# KiCad board pcb.kicad_pcb (continued)
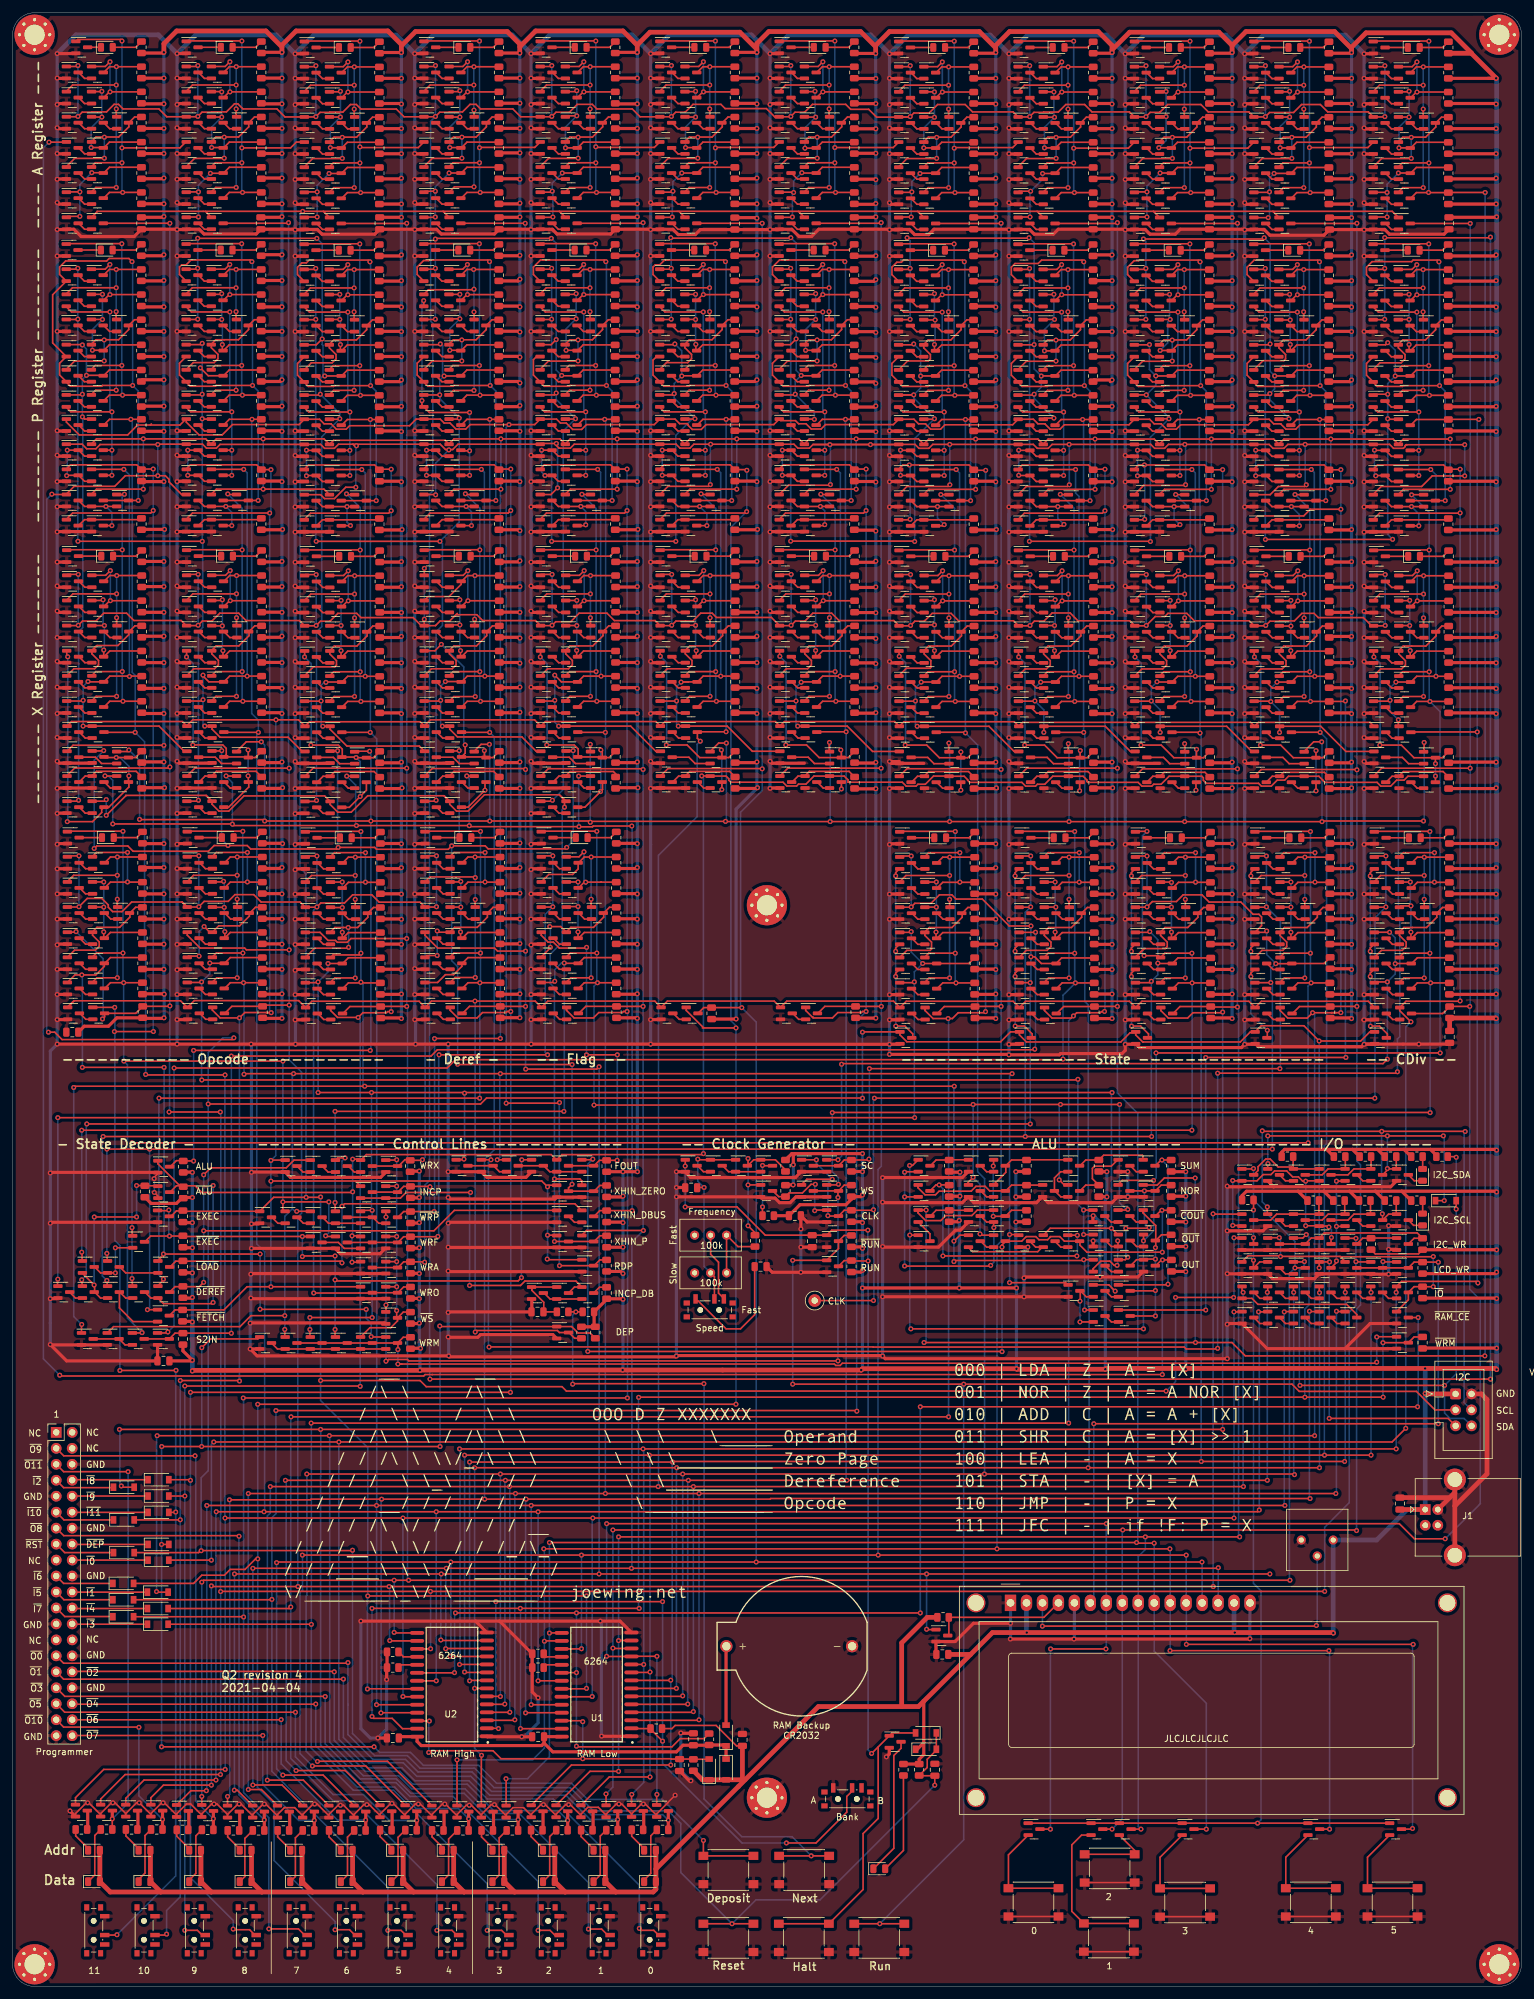
[diagram p0: board, top side]
## Routing (per net, layer and track width the routed paths; a pad name or vN(x,y) marks a point on that pad's centre or on a via; arc(x,y) is an arc through that point) (continued)
  Bottom w0.25: v1(123.1,22.83) 116.03,22.83 103.4,35.45 v1(103.4,39.03) v1(103.4,61.23) ; v1(77.3,41.03) 76.88,41.45 v1(76.88,61.23)
/Memory/~{IO}: length 49.8
  Top w0.25: 211.96,115.36 211.17,116.15 201.73,116.15 v1(201.7,116.13) 201.57,116.25 196.54,116.25 Q672.1 ; v1(201.5,119.13) 199.71,119.13 ; v1(226,111.33) 224.31,111.33 ; v1(226,116.13) 225.97,116.1 211.23,116.1 ; R285.2 222.95,111.34 Q674.3 222.04,109.25 Q679.1
  Bottom w0.25: v1(201.7,116.13) 201.7,118.93 v1(201.5,119.13) ; v1(226,116.13) v1(226,111.33)
/Memory/~{RAM_CE}: length 262.8
  Top w0.25: v1(89.7,49.93) 87.38,49.93 ; R291.2 109.99,39.43 106.2,39.43 104.9,38.13 89.8,38.13 v1(89.7,38.23) ; v1(144.4,59.43) v1(89.7,59.43) v1(70.45,59.43) ; U2.20 70.28,49.9 v1(70.3,49.93) ; Q679.3 v1(223.6,106.43) ; 144.47,92.3 v1(144.4,92.23) v1(223.5,92.23)
  Bottom w0.25: v1(70.45,59.43) 70.33,59.3 70.33,49.95 v1(70.3,49.93) ; v1(144.4,59.43) v1(144.4,92.23) ; v1(223.5,92.23) 223.6,92.33 v1(223.6,106.43) ; v1(89.7,59.43) v1(89.7,49.93) v1(89.7,38.23)
/Memory/~{WRM}: length 304.6
  Top w0.25: R290.2 222.95,103.34 Q678.3 v1(218,102.43) ; v1(218.03,93.75) v1(205.57,93.75) 99.63,93.75 ; v1(205.8,119.63) 205.25,119.08 Q853.1 ; v1(99.68,60.15) v1(80.78,60.15) v1(57.17,60.15) ; v1(57.17,42.95) 57.47,42.65 60.39,42.65 62.03,41.01 U2.27 ; Q670.1 218.05,115.28 v1(218,115.33) ; v1(99.6,93.73) 99.7,93.83 ; v1(80.8,41.03) 80.81,41.01 U1.27
  Bottom w0.25: v1(205.8,119.63) 206.23,119.2 206.23,108.42 205.57,107.77 v1(205.57,93.75) ; v1(80.78,60.15) 80.8,60.13 v1(80.8,41.03) ; v1(99.6,93.73) 99.57,93.7 99.57,60.25 v1(99.68,60.15) ; v1(218,115.33) v1(218,102.43) 218,93.78 v1(218.03,93.75) ; v1(57.17,60.15) 57.17,60.15 v1(57.17,42.95)
A0: length 397
  Top w0.25: R407.2 223.31,285.41 222.4,284.5 ; 220.4,289.45 221.09,290.13 v1(225.3,290.13) ; v1(145,102.45) v1(188.18,102.45) ; v1(188.18,102.45) 188.2,102.43 ; v1(188.18,102.45) 193.97,102.45 196.1,100.33 v1(234.2,100.33) ; 216.48,309.52 225.27,309.52 v1(225.3,309.5) ; 156,123.53 153.47,123.53 152.6,122.65 148.46,122.65 147.66,121.85 145.25,121.85 144.06,123.04 Q476.1 v1(145.32,123.53) ; 179.89,127.5 182.09,127.5 183.21,128.63 v1(188.12,128.63) ; v1(234.25,285.43) 228.42,285.43 ; 144,123.53 144,123.14
  Bottom w0.25: v1(225.3,309.5) v1(225.3,290.13) 225.3,285.48 v1(225.25,285.43) ; v1(188.12,128.63) 188.12,102.5 v1(188.18,102.45) ; v1(145.32,123.53) 145.32,102.78 v1(145,102.45) ; 234.23,285.4 v1(234.25,285.43) 234.25,100.38 v1(234.2,100.33)
ABUS0: length 445.6
  Top w0.25: v1(233,199.6) 222.55,199.6 ; R396.2 223.31,249.31 222.4,248.4 ; U1.10 100.4,51.23 v1(100.4,51.23) ; v1(233.1,111.93) 232.85,112.18 220.96,112.18 Q674.1 220.16,110.49 v1(220.1,110.43) ; Q882.1 98.46,30.51 v1(98.5,30.55) ; v1(220.1,85.53) v1(100.3,85.53) v1(71.1,85.53) ; v1(71.1,51.23) 71.11,51.23 U2.10 ; v1(233.25,249.33) 228.42,249.33
  Bottom w0.25: v1(100.3,85.53) 100.4,85.43 v1(100.4,51.23) 100.4,32.45 v1(98.5,30.55) ; v1(71.1,85.53) 71.18,85.45 71.18,51.3 v1(71.1,51.23) ; v1(233.1,111.93) 233,112.03 v1(233,199.6) 233,249.08 v1(233.25,249.33) ; v1(220.1,110.43) v1(220.1,85.53)
ABUS1: length 452.6
  Top w0.25: 203.4,248.4 204.31,249.31 v1(207.92,249.31) R332.2 ; v1(216.1,84.53) v1(208.7,84.53) v1(101.3,84.53) v1(71.9,84.53) ; v1(216.1,110.43) 216.06,110.46 Q675.1 ; v1(71.9,50.03) 71.97,49.96 U2.9 ; Q814.3 207.98,199.55 v1(208,199.53) ; v1(101.4,50.03) 101.34,49.96 U1.9 ; Q878.1 94.92,33.33 v1(101.4,33.33)
  Bottom w0.25: v1(207.92,249.31) 208,249.23 v1(208,199.53) 209.03,198.5 209.03,134.1 208.67,133.75 208.67,84.55 v1(208.7,84.53) ; v1(101.4,33.33) v1(101.4,50.03) 101.4,84.43 v1(101.3,84.53) ; v1(216.1,110.43) v1(216.1,84.53) ; v1(71.9,50.03) v1(71.9,84.53)
ABUS2: length 461
  Top w0.25: 184.4,248.4 185.31,249.31 v1(188.78,249.31) R251.2 ; U1.8 104.66,48.69 v1(104.7,48.73) ; Q676.1 211.96,110.46 v1(212,110.43) ; U2.8 72.77,48.69 v1(72.7,48.63) ; Q874.1 83.34,29.65 83.34,29.67 88.9,35.23 v1(104.7,35.23) ; v1(211.9,83.53) v1(189.1,83.53) 105.1,83.53 v1(105,83.43) v1(72.7,83.43) ; v1(188.9,199.43) 188.78,199.55 Q636.3
  Bottom w0.25: v1(189.1,83.53) 189.08,83.55 189.08,199.25 v1(188.9,199.43) 188.9,236.32 188.78,236.44 v1(188.78,249.31) ; v1(105,83.43) 104.93,83.35 104.93,48.95 v1(104.7,48.73) v1(104.7,35.23) ; v1(212,110.43) 212,83.63 v1(211.9,83.53) ; v1(72.7,48.63) v1(72.7,83.43)
ABUS3: length 439.8
  Top w0.25: 165.9,248.4 166.81,249.31 v1(170.22,249.31) R170.2 ; v1(207.9,82.53) v1(171.1,82.53) v1(73.5,82.53) ; v1(74.6,36.78) 74.57,36.75 Q870.1 ; v1(73.5,47.43) 73.5,47.42 U2.7 ; Q677.1 207.86,110.41 v1(207.9,110.38) ; v1(105.6,47.43) 105.59,47.42 U1.7 ; v1(170.4,199.53) 165.96,199.53
  Bottom w0.25: v1(73.5,82.53) v1(73.5,47.43) 73.5,37.88 v1(74.6,36.78) ; v1(170.22,249.31) 170.37,249.15 170.37,199.55 v1(170.4,199.53) 170.58,199.35 170.58,156.7 171.13,156.15 171.13,108.1 171.25,107.97 171.25,82.68 v1(171.1,82.53) ; v1(105.6,47.43) 105.6,82.48 v1(105.65,82.53) ; v1(207.9,110.38) v1(207.9,82.53)
ABUS4: length 516.1
  Top w0.25: 146.9,248.4 147.81,249.31 v1(151.58,249.31) R92.2 ; v1(77.6,46.13) 77.57,46.15 U2.6 ; Q866.1 59.65,35.83 48.53,35.83 v1(48.5,35.8) ; v1(46.8,81.53) v1(106.6,81.53) 203.82,81.53 v1(203.93,81.43) ; Q680.1 203.76,110.46 v1(203.8,110.43) ; v1(106.6,46.23) 106.53,46.15 U1.6 ; Q267.3 151.48,199.55 v1(151.58,199.44)
  Bottom w0.25: v1(151.58,249.31) v1(151.58,199.44) 153.53,197.5 153.53,129.62 154.63,128.52 154.63,81.55 v1(154.6,81.53) ; v1(203.93,81.43) 203.8,81.55 v1(203.8,110.43) ; v1(77.6,46.13) v1(77.6,81.53) ; v1(48.5,35.8) 48.33,35.8 46.7,37.43 46.7,62.13 46.83,62.25 46.83,81.5 v1(46.8,81.53) ; v1(106.6,46.23) v1(106.6,81.53)
ABUS5: length 512.6
  Top w0.25: 127.9,248.42 128.81,249.33 v1(132.49,249.33) R423.2 ; Q862.1 52.91,34.35 v1(45.1,34.35) ; v1(199.6,110.43) 199.66,110.49 Q681.1 ; v1(43.4,80.53) v1(199.6,80.53) ; v1(107.4,44.93) 107.35,44.88 U1.5 ; v1(132.6,199.63) 127.99,199.63 ; U2.5 78.25,44.88 v1(78.3,44.93)
  Bottom w0.25: 43.53,80.45 43.53,35.93 v1(45.1,34.35) ; v1(132.49,249.33) 132.49,199.73 v1(132.6,199.63) 132.6,80.63 v1(132.7,80.53) ; v1(107.5,80.53) 107.4,80.43 v1(107.4,44.93) ; v1(199.6,110.43) v1(199.6,80.53) ; 43.53,80.4 v1(43.4,80.53) ; v1(78.4,80.53) 78.33,80.45 78.33,44.95 v1(78.3,44.93)
ABUS6: length 514
  Top w0.25: 108.9,248.42 109.81,249.33 v1(113.51,249.33) R432.2 ; Q884.1 46.26,32.83 v1(40.53,32.83) ; U2.4 79.09,43.61 v1(79.1,43.63) ; v1(108.3,43.73) 108.19,43.61 U1.4 ; v1(113.5,199.63) 108.99,199.63 ; v1(109.4,198.13) 108.94,198.59 Q984.3 ; v1(41,79.53) v1(195.8,79.53) ; Q682.1 195.58,110.59 v1(195.75,110.43)
  Bottom w0.25: v1(109.4,198.13) 108.9,197.62 108.9,186.12 102.75,179.98 102.75,79.58 v1(102.7,79.53) ; v1(108.3,43.73) v1(108.3,79.53) ; v1(79.05,79.53) 79.1,79.48 v1(79.1,43.63) ; v1(40.53,32.83) 40.53,74.85 41,75.33 v1(41,79.53) ; v1(113.5,199.63) 113.51,199.63 v1(113.51,249.33) ; v1(195.8,79.53) 195.75,79.58 v1(195.75,110.43)
ABUS7: length 525.2
  Top w0.25: 89.88,248.42 90.79,249.33 v1(94.19,249.33) R298.2 ; v1(210.5,78.43) v1(109.2,78.43) v1(94.3,78.43) ; v1(210.6,107.43) 210.65,107.38 Q683.1 ; v1(37.5,78.43) v1(80,78.43) 94.2,78.43 94.3,78.53 ; v1(79.9,42.43) 79.81,42.34 U2.3 ; Q880.1 39.59,31.33 v1(37.5,31.33) ; U1.3 109.12,42.34 v1(109.2,42.43) ; v1(94.3,199.53) 89.96,199.53
  Bottom w0.25: v1(37.5,31.33) v1(37.5,78.43) ; v1(80,78.43) 79.9,78.33 v1(79.9,42.43) ; v1(210.5,78.43) 210.6,78.53 v1(210.6,107.43) ; v1(109.2,42.43) v1(109.2,78.43) ; 94.3,78.53 v1(94.3,199.53) 94.35,199.57 94.35,249.18 v1(94.19,249.33)
ABUS8: length 515.4
  Top w0.25: 71.38,248.42 72.29,249.33 v1(75.91,249.33) R217.2 ; Q876.1 34.19,30.22 v1(34.2,30.23) ; v1(58.6,43.53) 58.62,43.55 U2.25 ; v1(81.6,43.53) 81.62,43.55 U1.25 ; v1(206.3,107.43) 206.35,107.38 Q684.1 ; v1(206.4,77.63) 120.6,77.63 120.5,77.53 v1(75.1,77.53) v1(58.7,77.53) 47.5,77.53 47.4,77.43 v1(34.5,77.43) ; v1(75.9,199.53) 71.46,199.53
  Bottom w0.25: v1(206.3,107.43) 206.3,77.73 v1(206.4,77.63) ; v1(58.7,77.53) 58.63,77.45 58.63,43.55 v1(58.6,43.53) ; v1(34.5,77.43) 34.55,77.38 34.55,30.58 v1(34.2,30.23) ; v1(81.6,43.53) 81.6,77.43 v1(81.7,77.53) ; v1(75.1,77.53) 75.07,77.55 75.07,131.57 76.63,133.12 76.63,198.8 v1(75.9,199.53) 75.91,199.53 v1(75.91,249.33)
ABUS9: length 513.7
  Top w0.25: 52.35,248.4 53.26,249.31 v1(56.92,249.31) R136.2 ; Q872.1 28.36,31.14 v1(30.83,31.14) ; v1(202.4,76.53) v1(57.9,76.53) v1(30.9,76.53) ; v1(202.3,107.33) 202.35,107.38 Q685.1 ; U1.24 82.5,44.82 v1(82.5,44.83) ; v1(56.9,199.53) 52.41,199.53 ; v1(57.9,44.83) 64.34,44.83
  Bottom w0.25: v1(57.9,44.83) v1(57.9,76.53) 57.93,76.55 57.93,198.5 v1(56.9,199.53) 56.92,199.54 v1(56.92,249.31) ; v1(30.83,31.14) 30.9,31.21 v1(30.9,76.53) ; v1(82.5,44.83) v1(82.5,76.53) ; v1(202.3,107.33) 202.3,76.63 v1(202.4,76.53)
ABUS10: length 505.8
  Top w0.25: 33.57,248.43 34.48,249.34 v1(38.09,249.34) R58.2 ; v1(39.1,199.53) 33.66,199.53 ; v1(198.32,75.8) 198.05,75.53 v1(83.6,75.53) v1(67.4,75.53) v1(40,75.53) v1(32.4,75.53) ; U1.21 83.6,48.63 v1(83.6,48.63) ; v1(198.2,107.33) 199.61,107.33 ; v1(32.35,32.84) 20.91,32.84 18,29.93 Q868.1 ; 64.36,48.63 v1(67.4,48.63)
  Bottom w0.25: 198.4,75.88 v1(198.32,75.8) 198.32,107.2 v1(198.2,107.33) ; v1(32.35,32.84) 32.35,75.48 v1(32.4,75.53) ; v1(40,75.53) 40.1,75.63 40.1,116.87 38.84,118.13 38.84,199.27 v1(39.1,199.53) 39.1,201.47 38.04,202.53 38.04,249.29 v1(38.09,249.34) ; v1(67.4,48.63) v1(67.4,75.53) ; v1(83.6,48.63) v1(83.6,75.53)
ABUS11: length 525
  Top w0.25: v1(92.2,46.13) 92.16,46.09 U1.23 ; 14.5,248.43 15.41,249.34 R1.2 ; v1(19.5,199.53) 14.59,199.53 ; v1(33.8,74.53) v1(194.3,74.53) ; v1(62.1,46.13) 62.14,46.09 U2.23 ; v1(21.18,145.1) 21.25,145.03 v1(33.8,145.03) ; v1(33.83,34.53) 14.5,34.53 10.01,30.04 Q864.1 ; v1(194.3,107.33) 195.53,107.33
  Bottom w0.25: v1(194.3,74.53) v1(194.3,107.33) ; v1(33.8,145.03) 33.77,145 33.77,74.55 v1(33.8,74.53) 33.83,74.5 v1(33.83,34.53) ; v1(62.1,46.13) v1(62.1,74.53) ; v1(18.81,249.34) 19.03,249.13 19.03,209.07 19.5,208.6 v1(19.5,199.53) 21,198.03 21,166.53 21.18,166.35 v1(21.18,145.1) ; v1(92.2,46.13) 92.2,74.43 v1(92.3,74.53)
ALU_OUT: length 397
  Top w0.25: v1(182.9,97.35) 66.75,97.35 66.75,97.35 65.63,97.35 65.4,97.13 7.62,97.13 v1(7.5,97.25) ; R213.2 v1(182.94,115.59) 182.76,115.59 181.85,114.68 ; v1(5.8,293.43) 8.45,293.43
  Bottom w0.25: v1(182.94,115.59) 182.9,115.55 v1(182.9,97.35) ; v1(7.5,97.25) 4.9,99.85 4.9,292.53 v1(5.8,293.43)
CDIV: length 174.3
  Top w0.25: 222.56,158.76 223.47,159.67 v1(225.57,159.67) R425.2 ; 216.64,183.78 225.43,183.78 v1(225.46,183.76) ; v1(225.46,164.39) 221.25,164.39 220.56,163.71 ; v1(131.38,127.63) 131.28,127.53 129.45,127.53 ; v1(130.4,139.03) 130.43,139.05 225.47,139.05 v1(225.5,139.03)
  Bottom w0.25: v1(225.57,159.67) 225.46,159.78 v1(225.46,164.39) v1(225.46,183.76) ; v1(225.57,159.67) 225.5,159.6 v1(225.5,139.03) ; v1(225.57,159.67) 225.68,159.57 ; v1(130.4,139.03) 130.4,129.62 131.38,128.65 v1(131.38,127.63) 131.43,127.68
CLK: length 189.8
  Top w0.25: v1(218.46,171.76) 218.41,171.71 216.56,171.71 ; v1(218.46,179.86) 216.71,179.86 ; Q301.1 127.86,131.53 v1(127.87,131.52) ; 125.45,127.53 126.35,128.43 v1(130.4,128.43) ; v1(129.7,122.63) 129.75,122.58 Q306.3 132.3,123.49 R130.2 136.86,123.49 v1(136.95,123.58) ; v1(136.95,109.13) TP1.1 ; v1(216.7,141.33) v1(137.1,141.33)
  Bottom w0.25: v1(218.46,179.86) v1(218.46,171.76) 216.73,170.02 216.73,141.35 v1(216.7,141.33) ; v1(136.95,109.13) 137.03,109.2 137.03,123.5 v1(136.95,123.58) 136.95,141.18 v1(137.1,141.33) ; v1(129.7,122.63) 129.7,127.73 v1(130.4,128.43) 127.87,130.96 v1(127.87,131.52) 127.87,131.52
DBUS0: length 493.9
  Top w0.25: 216.5,192.55 217.77,193.82 v1(231.87,193.82) 232,193.95 ; Q886.3 227.49,154.8 R397.2 ; v1(94.5,52.53) 94.53,52.5 U1.11 ; 231.95,280.43 v1(231.88,280.5) 222.4,280.5 ; v1(231.8,155.93) 228.62,155.93 ; v1(165.12,53.7) v1(173.92,53.7) ; v1(227.9,71.23) 223,71.23 220.6,73.63 v1(94.5,73.63) ; Q861.3 v1(165.1,25.03) ; v1(102.5,30.55) 102.46,30.51 Q883.1 ; v1(102.5,52.53) 98.47,52.53
  Bottom w0.25: v1(227.9,71.23) 233.5,76.83 233.47,76.85 233.47,109.25 231.8,110.93 v1(231.8,155.93) 231.87,156 v1(231.87,193.82) 231.88,193.83 v1(231.88,280.5) ; v1(174,73.63) 173.99,73.62 DS1.7 173.99,53.77 v1(173.92,53.7) ; v1(165.12,53.7) 165.1,53.68 v1(165.1,25.03) ; v1(102.5,30.55) v1(102.5,52.53) ; v1(94.5,52.53) v1(94.5,73.63)
DBUS1: length 461.8
  Top w0.25: 203.6,154.8 204.71,155.91 R333.2 ; Q860.3 v1(174.9,25.03) ; Q816.1 198.64,193.62 213.8,193.62 v1(213.85,193.58) ; v1(213.85,280.53) 213.82,280.5 Q797.3 ; v1(213.8,72.53) 213.7,72.63 v1(176.6,72.63) v1(95.5,72.63) ; v1(95.5,53.83) 95.56,53.77 U1.12 ; v1(94.4,30.63) 94.41,30.61 Q879.1 ; v1(213.85,155.93) 209.62,155.93
  Bottom w0.25: v1(176.6,72.63) 176.53,72.56 DS1.8 176.53,26.66 v1(174.9,25.03) ; v1(213.8,72.53) 213.8,107.8 214.43,108.42 214.43,130.73 213.85,131.3 v1(213.85,155.93) v1(213.85,193.58) v1(213.85,280.53) ; v1(95.5,72.63) v1(95.5,53.83) 95.5,31.73 v1(94.4,30.63)
DBUS2: length 446.6
  Top w0.25: 184.6,154.8 185.71,155.91 R252.2 ; Q875.1 91.86,34.23 v1(96.4,34.23) ; Q638.1 179.74,193.73 v1(194.85,193.73) ; v1(96.4,71.53) v1(195.2,71.53) ; v1(194.85,155.83) 190.68,155.83 ; Q859.3 v1(179.5,25.03) ; U1.13 96.41,55.04 v1(96.4,55.03) ; Q619.3 194.82,280.5 v1(194.85,280.53)
  Bottom w0.25: v1(195.2,71.53) 195.03,71.7 195.03,155.65 v1(194.85,155.83) v1(194.85,193.73) v1(194.85,280.53) ; v1(180.2,71.53) 180.2,69.53 179.07,68.4 179.07,25.46 v1(179.5,25.03) ; 96.23,54.85 v1(96.4,55.03) ; v1(96.4,55.03) v1(96.4,71.53) ; v1(96.4,55.03) v1(96.4,34.23) 96.23,34.4
DBUS3: length 443.5
  Top w0.25: R171.2 167.21,155.91 166.1,154.8 ; v1(175.75,193.83) 161.34,193.83 Q442.1 ; Q858.3 v1(189.9,25.03) ; v1(175.75,155.93) 172.12,155.93 ; v1(85.4,70.63) v1(178.8,70.63) 178.9,70.53 v1(181.6,70.53) ; v1(85.4,56.23) 85.43,56.25 U1.15 ; v1(78.5,33.05) 78.51,33.04 Q871.1 ; v1(175.75,280.63) 175.62,280.5 Q423.3
  Bottom w0.25: v1(85.4,70.63) v1(85.4,56.23) 85.4,36.53 81.93,33.05 v1(78.5,33.05) ; v1(175.75,280.63) v1(175.75,193.83) v1(175.75,155.93) 175.75,142.16 179,138.91 179,70.83 v1(178.8,70.63) ; v1(181.6,70.53) 181.61,70.52 DS1.10 181.61,53.34 189.9,45.05 v1(189.9,25.03)
DBUS4: length 476.5
  Top w0.25: 147.1,154.8 148.21,155.91 R93.2 ; Q250.3 157.22,280.5 v1(157.25,280.53) ; v1(184.12,53.43) v1(209.4,53.43) ; v1(157.25,193.63) 157.13,193.74 142.26,193.74 Q269.1 ; v1(157.25,155.93) 153.12,155.93 ; Q857.3 v1(209.5,25.03) ; v1(84.5,69.63) v1(156.6,69.63) v1(184.1,69.63) ; v1(70.7,36.05) 70.7,36.05 Q867.1 ; U1.16 84.66,54.98 v1(84.6,54.93)
  Bottom w0.25: v1(209.5,25.03) 209.5,53.33 v1(209.4,53.43) ; v1(84.5,69.63) 84.6,69.53 v1(84.6,54.93) 84.6,37.93 82.72,36.05 v1(70.7,36.05) ; v1(184.12,53.43) 184.15,53.45 DS1.11 184.15,69.58 v1(184.1,69.63) ; v1(156.6,69.63) 156.6,117.9 157.25,118.55 v1(157.25,155.93) v1(157.25,193.63) v1(157.25,280.53)
DBUS5: length 541.7
  Top w0.25: R424.2 129.21,155.93 128.1,154.82 ; v1(138.2,155.93) 134.11,155.93 ; v1(222.7,25.13) 222.6,25.03 Q856.3 ; v1(138.17,193.83) 123.32,193.83 Q1050.1 ; v1(138.17,280.63) 138.06,280.52 Q1031.3 ; v1(222.8,54.43) v1(186.72,54.43) ; v1(47.7,35.08) 56.19,35.08 Q863.1 ; v1(186.7,68.63) v1(137.7,68.63) v1(46.1,68.63) ; v1(90.5,53.73) 90.49,53.71 U1.17 ; 186.62,54.43 186.72,54.53
  Bottom w0.25: v1(222.8,54.43) 222.7,54.33 v1(222.7,25.13) ; 186.72,54.53 186.72,60.99 ; v1(137.7,68.63) 137.67,68.65 137.67,129.97 138.2,130.5 v1(138.2,155.93) 138.17,155.96 v1(138.17,193.83) v1(138.17,280.63) ; v1(47.7,35.08) 45.73,37.05 45.73,62.65 46.13,63.05 46.13,68.6 v1(46.1,68.63) ; v1(90.5,53.73) v1(90.5,68.63) ; v1(186.7,68.63) 186.7,61.04
DBUS6: length 472.1
  Top w0.25: v1(116,155.73) 115.99,155.74 R433.2 109.96,155.74 Q967.3 ; Q885.1 53.53,29.55 53.47,29.55 49.4,33.63 v1(43,33.63) ; v1(189.2,67.53) v1(69.7,67.53) 42.1,67.53 v1(42,67.43) ; v1(119.25,193.73) 119.21,193.77 104.26,193.77 Q986.1 ; v1(69.6,52.53) 69.62,52.5 U2.11 ; Q1004.3 119.25,280.52 v1(119.25,280.53)
  Bottom w0.25: v1(69.7,67.53) 69.73,67.5 69.73,52.65 v1(69.6,52.53) ; v1(43,33.63) 42,34.63 v1(42,67.43) ; v1(119.25,280.53) v1(119.25,193.73) 119.25,190.28 115.8,186.83 115.8,155.93 v1(116,155.73) 118.3,153.43 v1(118.3,67.53) ; DS1.13 189.23,67.5 v1(189.2,67.53)
DBUS7: length 485.5
  Top w0.25: 90.07,154.82 91.19,155.93 R299.2 ; 90.5,119.48 91.3,120.28 v1(100.35,120.28) 100.3,120.33 ; v1(100.3,155.93) 96.08,155.93 ; v1(100.3,193.63) 100.18,193.75 85.21,193.75 Q740.1 ; v1(100.3,280.63) 100.19,280.52 Q715.3 ; U2.12 68.94,53.77 v1(68.9,53.73) ; v1(191.8,66.63) 191.7,66.53 v1(98.45,66.53) v1(69,66.53) v1(38.22,66.53) ; v1(38.22,32.05) 42.86,32.05 Q881.1
  Bottom w0.25: v1(38.22,66.53) v1(38.22,32.05) ; v1(69,66.53) 68.93,66.45 68.93,53.75 v1(68.9,53.73) ; v1(98.45,66.53) 98.53,66.6 98.53,118.45 v1(100.35,120.28) 100.3,120.33 v1(100.3,155.93) v1(100.3,193.63) v1(100.3,280.63) ; v1(191.8,66.63) 191.8,61.06
DBUS8: length 513.8
  Top w0.25: 71.58,154.82 72.69,155.93 R218.2 ; v1(81.62,145.95) 92.93,145.95 v1(93.3,146.33) ; v1(68.12,55.13) 68.21,55.04 U2.13 ; v1(81.6,155.93) 77.58,155.93 ; v1(81.6,164.73) 77.15,164.73 76.67,165.21 67.63,165.21 65.6,167.24 Q590.1 ; Q849.1 145.45,56.78 v1(145.4,56.83) ; v1(35.3,65.63) v1(68.2,65.63) 93.2,65.63 93.4,65.43 ; Q877.1 35.74,31.23 v1(35.28,31.23) ; v1(81.6,193.63) 81.46,193.77 66.74,193.77 Q562.1 ; v1(81.55,280.53) 81.54,280.52 Q537.3 ; v1(200,65.63) v1(145.4,65.63) v1(93.3,65.63)
  Bottom w0.25: v1(145.4,56.83) v1(145.4,65.63) ; v1(81.62,145.95) 81.6,145.98 v1(81.6,155.93) v1(81.6,164.73) v1(81.6,193.63) 81.55,193.68 v1(81.55,280.53) ; v1(68.2,65.63) 68.12,65.55 v1(68.12,55.13) ; 93.3,65.53 v1(93.3,146.33) 93.4,146.43 ; v1(35.28,31.23) 35.3,31.25 v1(35.3,65.63) ; 199.9,65.53 v1(200,65.63)
DBUS9: length 563.6
  Top w0.25: 52.55,154.8 53.66,155.91 R137.2 ; v1(197.4,130.13) 197.35,130.08 Q855.1 ; v1(30.1,30.23) 30.09,30.22 Q873.1 ; Q366.1 47.79,193.83 v1(62.7,193.83) ; Q394.1 48.91,167.71 50.18,166.43 51.36,166.43 51.66,166.13 53.23,166.13 53.83,166.73 v1(62.7,166.73) ; v1(60.7,56.33) 60.78,56.25 U2.15 ; Q341.3 62.67,280.5 v1(62.7,280.53) ; Q1100.3 v1(204,114.33) ; v1(62.7,155.93) 58.57,155.93 ; v1(30.1,64.33) 30.4,64.63 v1(60.7,64.63) v1(63,64.63) v1(203.2,64.63)
  Bottom w0.25: v1(62.7,280.53) v1(62.7,193.83) v1(62.7,166.73) v1(62.7,155.93) 62.83,155.8 62.83,64.8 v1(63,64.63) ; v1(203.2,64.63) 203.13,64.7 203.13,104.5 203.07,104.55 203.07,113.4 v1(204,114.33) 204,118.53 197.4,125.13 v1(197.4,130.13) ; v1(60.7,56.33) v1(60.7,64.63) ; v1(30.1,30.23) v1(30.1,64.33)
DBUS10: length 553.1
  Top w0.25: 33.77,154.83 34.88,155.94 R59.2 ; v1(31.62,32.03) 24,32.03 22,30.03 Q869.1 ; Q193.1 28.98,193.83 v1(44,193.83) ; v1(43.9,280.63) 43.8,280.53 Q168.3 ; v1(190.97,122.93) 191.03,122.88 Q1104.1 ; v1(44,164.93) 37.2,164.93 36.91,165.21 29.83,165.21 27.79,167.25 Q221.1 ; v1(60,55.03) 60.05,54.98 U2.16 ; v1(191,63.63) v1(59.9,63.63) v1(45.4,63.63) 31.72,63.63 v1(31.62,63.73) ; v1(44,156.13) 39.96,156.13
  Bottom w0.25: v1(45.4,63.63) 45.37,63.65 45.37,122.43 45.97,123.03 45.97,145.45 44,147.43 v1(44,156.13) v1(44,164.93) v1(44,193.83) 43.9,193.93 v1(43.9,280.63) ; v1(191,63.63) 190.97,63.65 v1(190.97,122.93) ; v1(31.62,32.03) v1(31.62,63.73) ; v1(60,55.03) 59.97,55.05 59.97,63.55 v1(59.9,63.63)
DBUS11: length 582.8
  Top w0.25: Q81.1 10.01,167.74 v1(10.1,167.83) ; v1(213.7,119.03) 212.01,119.03 ; Q851.1 213.75,115.28 v1(213.7,115.33) ; v1(25.02,156.01) 24.95,155.94 R2.2 19.59,154.83 Q1.3 14.64,154.26 v1(14.3,153.93) ; v1(66.5,53.73) 66.48,53.71 U2.17 ; v1(33.1,62.83) 33.13,62.85 v1(66.47,62.85) v1(208.73,62.85) ; Q28.3 v1(25.02,280.53) ; v1(33.08,33.71) 17.91,33.71 14.01,29.81 Q865.1 ; 8.6,192.58 9.88,193.85 24.99,193.85 25.02,193.88 v1(25.02,194.03) ; v1(33.05,139.13) v1(24.9,139.13)
  Bottom w0.25: v1(33.08,33.71) 33.1,33.74 v1(33.1,62.83) 33.08,62.85 33.08,75.13 33.13,75.18 33.13,139.05 v1(33.05,139.13) ; v1(25.02,280.53) v1(25.02,194.03) v1(25.02,156.01) 25.02,148.14 24.97,148.1 24.97,139.2 v1(24.9,139.13) ; v1(10.1,167.83) 14.4,163.53 14.4,154.03 v1(14.3,153.93) ; v1(66.47,62.85) 66.5,62.83 v1(66.5,53.73) ; v1(213.7,119.03) v1(213.7,115.33) 213.7,108.33 212.63,107.26 212.63,76.95 208.73,73.05 v1(208.73,62.85) 208.59,62.99
DEP: length 288.8
  Top w0.25: R370.2 89.41,103.13 88.5,104.04 ; Q887.1 215.66,156.75 198.66,156.75 Q770.1 196.66,156.75 179.66,156.75 Q592.1 177.66,156.75 161.16,156.75 Q396.1 159.16,156.75 142.16,156.75 Q223.1 140.14,156.77 123.16,156.77 Q952.1 121.16,156.77 104.16,156.77 Q968.1 102.16,156.77 85.14,156.77 Q689.1 83.14,156.77 v1(73.55,156.77) 66.64,156.77 Q511.1 64.66,156.75 47.61,156.75 Q315.1 45.51,156.85 28.91,156.85 Q142.1 ; 9.75,156.83 8.7,155.78 ; Q848.3 86.99,104.04 86.66,104.36 73.84,104.36 v1(73.6,104.13) 73.69,104.04 ; Q2.1 9.81,156.83 26.72,156.83 27.77,155.78
  Bottom w0.25: v1(73.55,156.77) 73.57,156.75 73.57,104.15 v1(73.6,104.13)
DEREF: length 144.5
  Top w0.25: 71.54,158.78 72.45,159.69 v1(74.33,159.69) R244.2 ; v1(74.44,183.78) 74.41,183.81 65.61,183.81 ; 69.54,163.73 70.22,164.42 v1(74.44,164.42) ; v1(24,112.53) 24,112.38 23.05,111.43 ; v1(23.3,141.33) v1(74.3,141.33)
  Bottom w0.25: v1(74.44,183.78) v1(74.44,164.42) 74.44,159.8 v1(74.33,159.69) 74.33,141.36 v1(74.3,141.33) ; v1(23.3,141.33) 23.27,141.3 23.27,113.25 v1(24,112.53)
F: length 204.9
  Top w0.25: 90.04,158.78 90.95,159.69 v1(93.05,159.69) R325.2 ; v1(92.94,183.78) 92.91,183.81 84.11,183.81 ; 88.04,163.73 88.72,164.42 v1(92.94,164.42) ; v1(92.5,140.23) 152.7,140.23 v1(152.8,140.33) v1(166.7,140.33) v1(176.1,140.33) ; v1(153.9,119.73) 154.1,119.53 Q491.1 ; Q492.1 177.3,123.53 v1(177.4,123.63) ; v1(152.8,128.73) 152,127.93 152,127.53 ; 167.3,127.53 v1(166.5,128.33)
  Bottom w0.25: v1(92.94,183.78) v1(92.94,164.42) 92.94,159.81 v1(93.05,159.69) 92.5,159.15 v1(92.5,140.23) ; v1(166.7,140.33) 166.5,140.13 v1(166.5,128.33) ; v1(176.1,140.33) 176.07,140.3 176.07,124.7 177.15,123.63 v1(177.4,123.63) ; v1(152.8,140.33) v1(152.8,128.73) 153.9,127.63 v1(153.9,119.73)
I2C_SCL: length 109.6
  Top w0.25: v1(199.6,124.03) 199.6,122.94 ; v1(217.9,122.93) 217.94,122.89 Q1107.3 218.89,122.88 Q1110.1 ; v1(231.07,136.03) 231.05,136.05 v1(217.8,136.05) 198.88,136.05 v1(198.8,136.13) ; R494.2 220.11,122.93
  Bottom w0.25: v1(231.07,136.03) 230.91,135.86 230.91,92.91 J3.4 ; v1(198.8,136.13) 198.8,124.83 v1(199.6,124.03) ; v1(217.9,122.93) 217.77,123.05 217.77,136.03 v1(217.8,136.05)
I2C_SDA: length 94.2
  Top w0.25: v1(204.8,95.63) v1(227.8,95.63) ; R286.2 229.55,132.03 v1(229.65,131.93) ; v1(205.5,115.33) 205.45,115.28 Q1100.1 ; v1(229.65,123.68) D93.2
  Bottom w0.25: J3.6 230.91,90.37 228.66,90.37 227.8,91.23 v1(227.8,95.63) 229.65,97.48 v1(229.65,123.68) v1(229.65,131.93) ; v1(205.5,115.33) 205.5,114.75 204.7,113.95 204.7,95.73 v1(204.8,95.63)
I2C_WR: length 26.5
  Top w0.25: Q852.3 222.95,119.04 R485.2 223.45,119.89 208.68,119.89 Q1108.1 206.59,119.08 Q853.3 Q673.3
INCP_CLK: length 424.4
  Top w0.25: 216.38,265.19 218.23,265.19 v1(218.28,265.24) ; 57.3,126.38 61.3,126.38 62.21,127.29 R48.2 66.26,127.29 66.38,127.18 66.4,127.2 v1(66.4,127.23) ; v1(66.4,96.63) v1(235.1,96.63) ; v1(218.28,273.34) 218.13,273.19 216.38,273.19 ; v1(218.28,278.25) 218.31,278.22 234.99,278.22 v1(235.1,278.33)
  Bottom w0.25: v1(218.28,265.24) v1(218.28,273.34) v1(218.28,278.25) 218.28,278.26 ; v1(235.1,96.63) v1(235.1,278.33) ; v1(66.4,127.23) 66.34,127.16 66.34,96.69 v1(66.4,96.63)
IO_RD: length 162.1
  Top w0.25: v1(197.4,119.13) 197.4,118.16 ; Q1102.1 198.39,115.28 Q672.3 ; R288.2 197.41,123.54 v1(197.4,123.53) ; v1(197.4,115.53) 197.4,114.36 ; Q856.1 Q857.1 v1(198.05,25.98) Q858.1 Q859.1 Q860.1 Q861.1
  Bottom w0.25: v1(197.4,123.53) v1(197.4,119.13) v1(197.4,115.53) 197.4,64.13 198.6,62.93 198.6,26.53 v1(198.05,25.98)
LCD_WR: length 121.8
  Top w0.25: v1(172,89.53) v1(226.8,89.53) ; v1(226.8,115.23) 226.79,115.24 R287.2 222.95,115.24 Q670.3 Q851.3 Q1111.3
  Bottom w0.25: v1(226.8,115.23) v1(226.8,89.53) ; v1(172,89.53) 172,61.58
NEXTF: length 55.5
  Top w0.25: v1(91.31,165.33) 91.19,165.21 86.97,165.21 86.02,166.16 85.19,166.16 84.1,167.25 Q768.1 ; v1(96.2,148.23) v1(91.3,148.23) ; 88.5,130.58 92.5,130.58 93.36,131.44 R56.2 v1(96.16,131.44) 96.25,131.53
  Bottom w0.25: v1(96.16,131.44) 96.2,131.48 v1(96.2,148.23) ; v1(91.3,148.23) 91.3,165.32 v1(91.31,165.33)
O0: length 303.2
  Top w0.25: 52.51,158.76 53.42,159.67 R163.2 ; v1(55.41,183.76) 55.38,183.78 46.59,183.78 ; v1(149.75,115.33) 149.92,115.5 170.27,115.5 v1(170.4,115.63) Q502.1 ; v1(170.53,107.63) Q504.1 ; Q386.1 50.99,164.12 55.14,164.12 v1(55.41,164.39) ; Q95.1 10.96,105.29 v1(11,105.33) ; v1(149.75,118.58) 150.7,119.53 Q494.1 ; v1(149.8,143.23) v1(56.02,143.23) 9.92,143.23 v1(9.73,143.03)
  Bottom w0.25: v1(55.41,183.76) v1(55.41,159.78) 55.74,159.45 55.74,143.5 v1(56.02,143.23) ; v1(149.8,143.23) 149.75,143.18 v1(149.75,118.58) v1(149.75,115.33) ; v1(11,105.33) 9.73,106.6 v1(9.73,143.03) ; v1(170.53,107.63) 170.53,107.63 170.53,115.5 v1(170.4,115.63)
